# Altium PCB BP_LCD_Panel_v1.PcbDoc
Units mm, origin at the board's own origin, x right, y up, seen from the top; angles counter-clockwise.
Board outline 90 x 75 mm, 2 copper layers (L1 [TOP], L2 [BOT]), stack 1.57 mm thick; 20 components, 24 nets, 87 pads, 121 vias.
Unrouted connection lines stored in the file: 133.
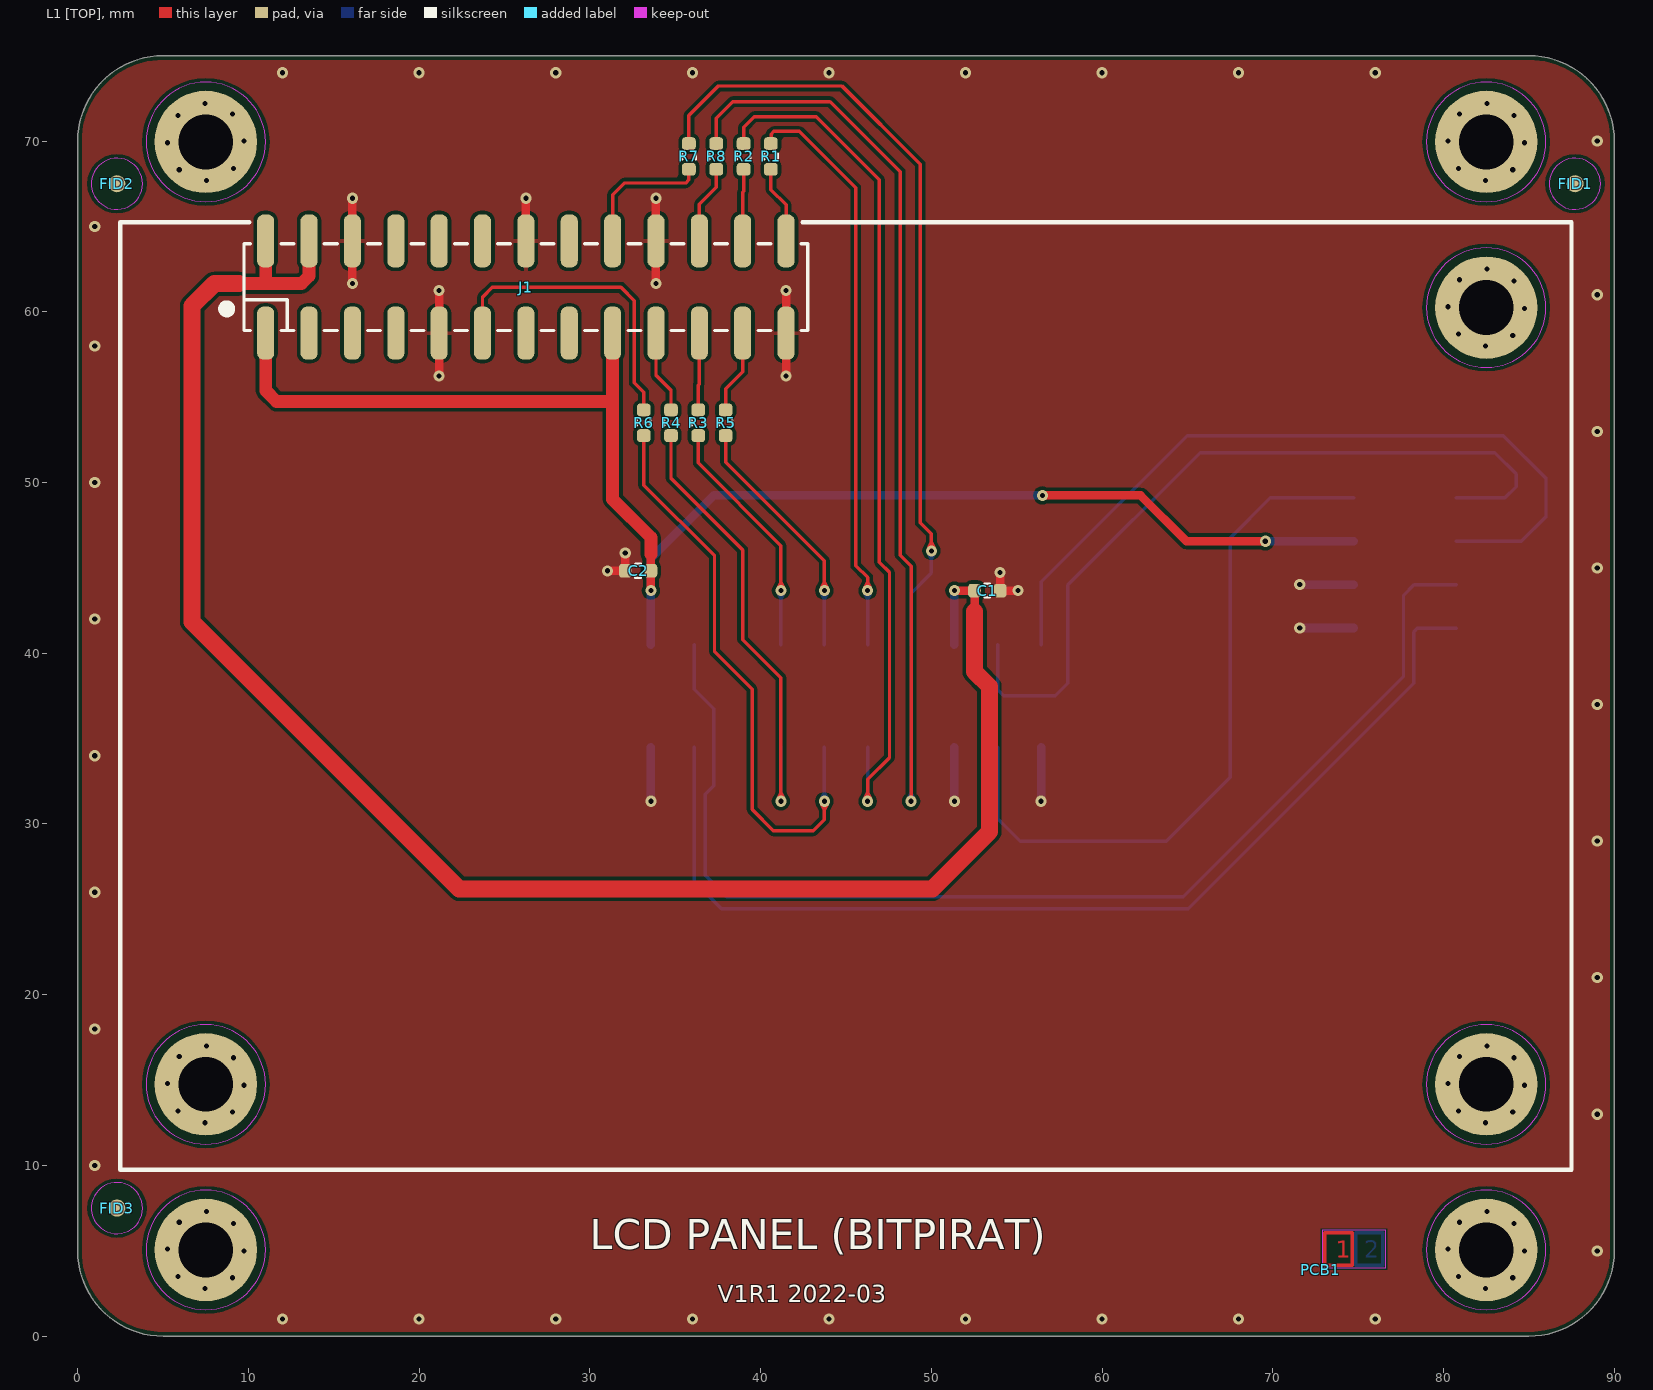
[diagram p0: L1 [TOP] view]
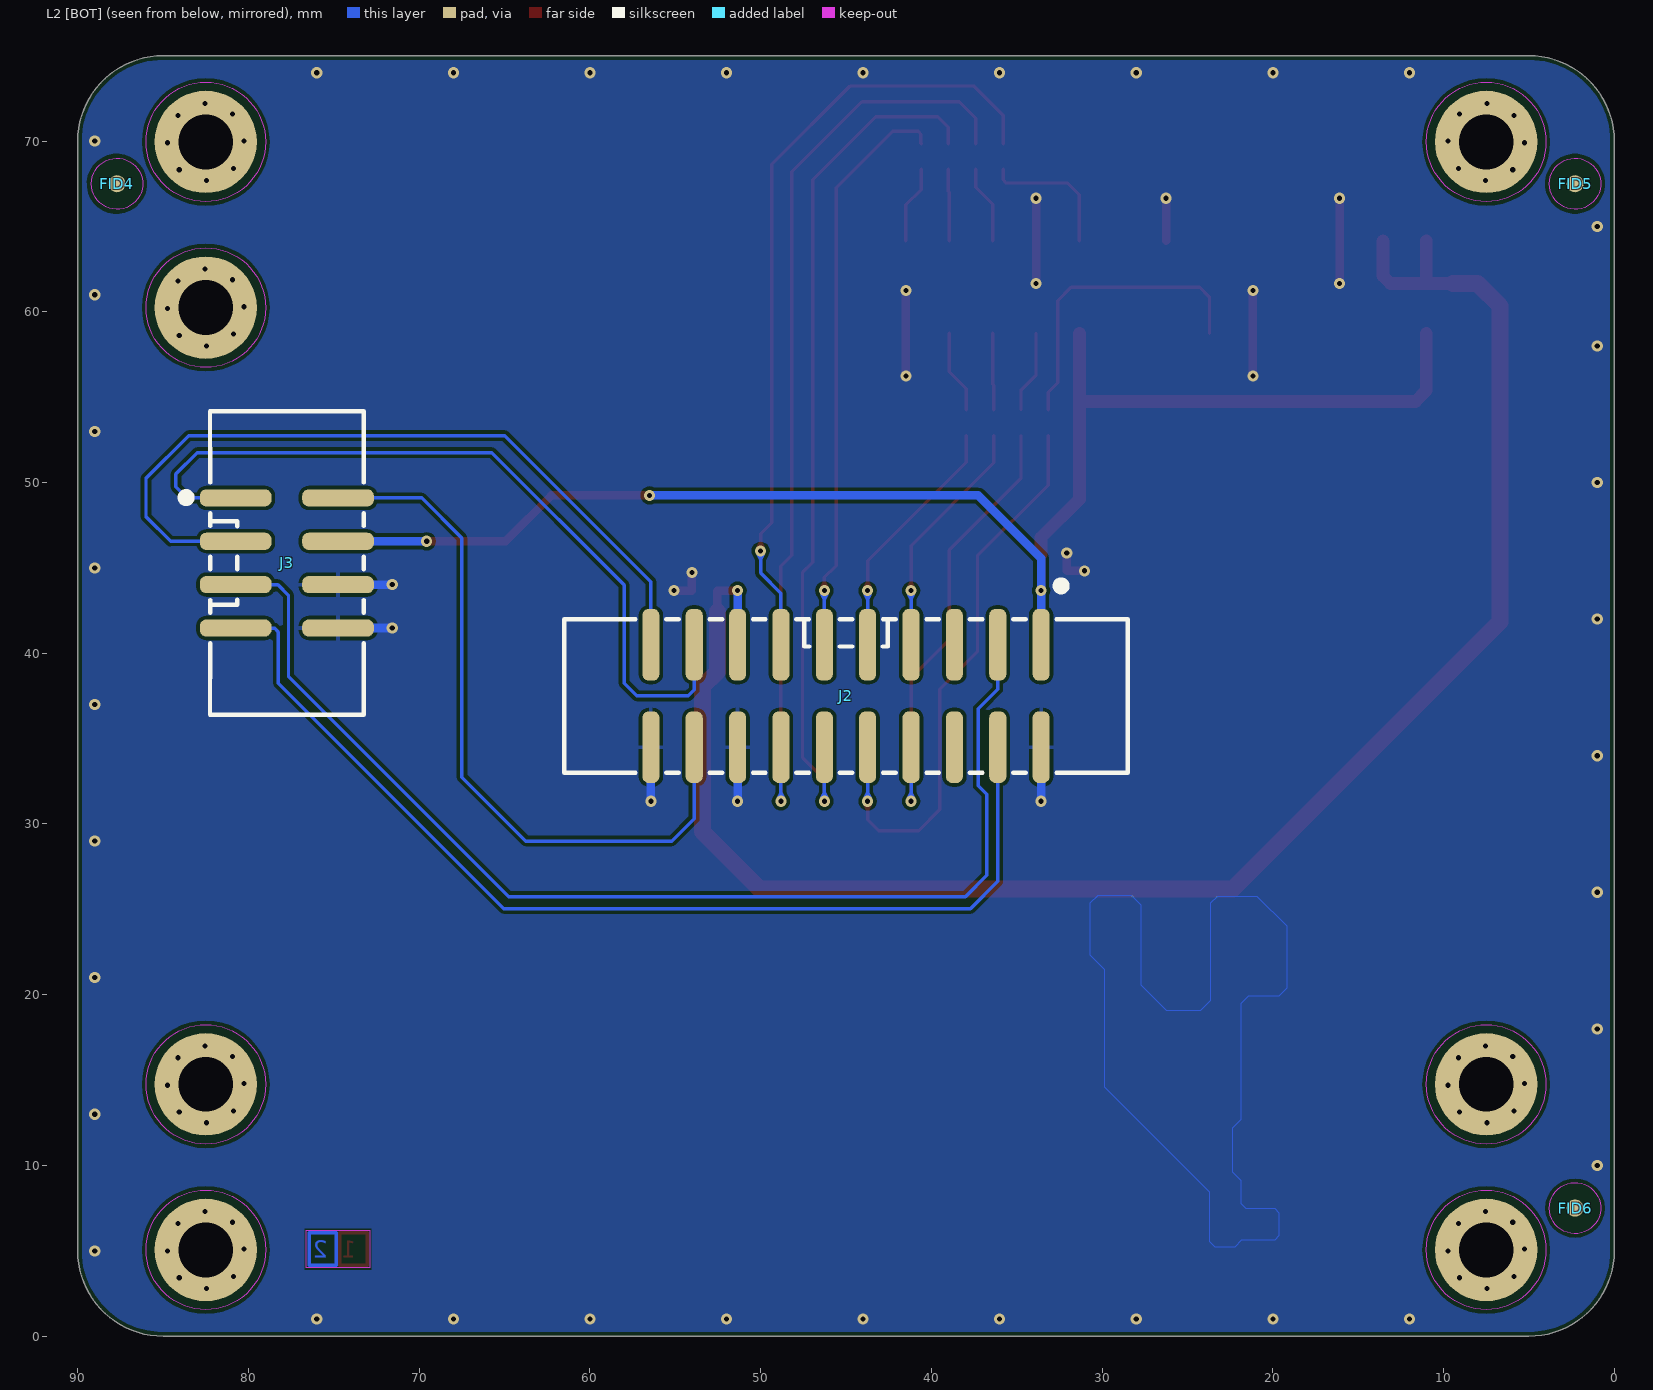
[diagram p1: L2 [BOT] view, seen from below]
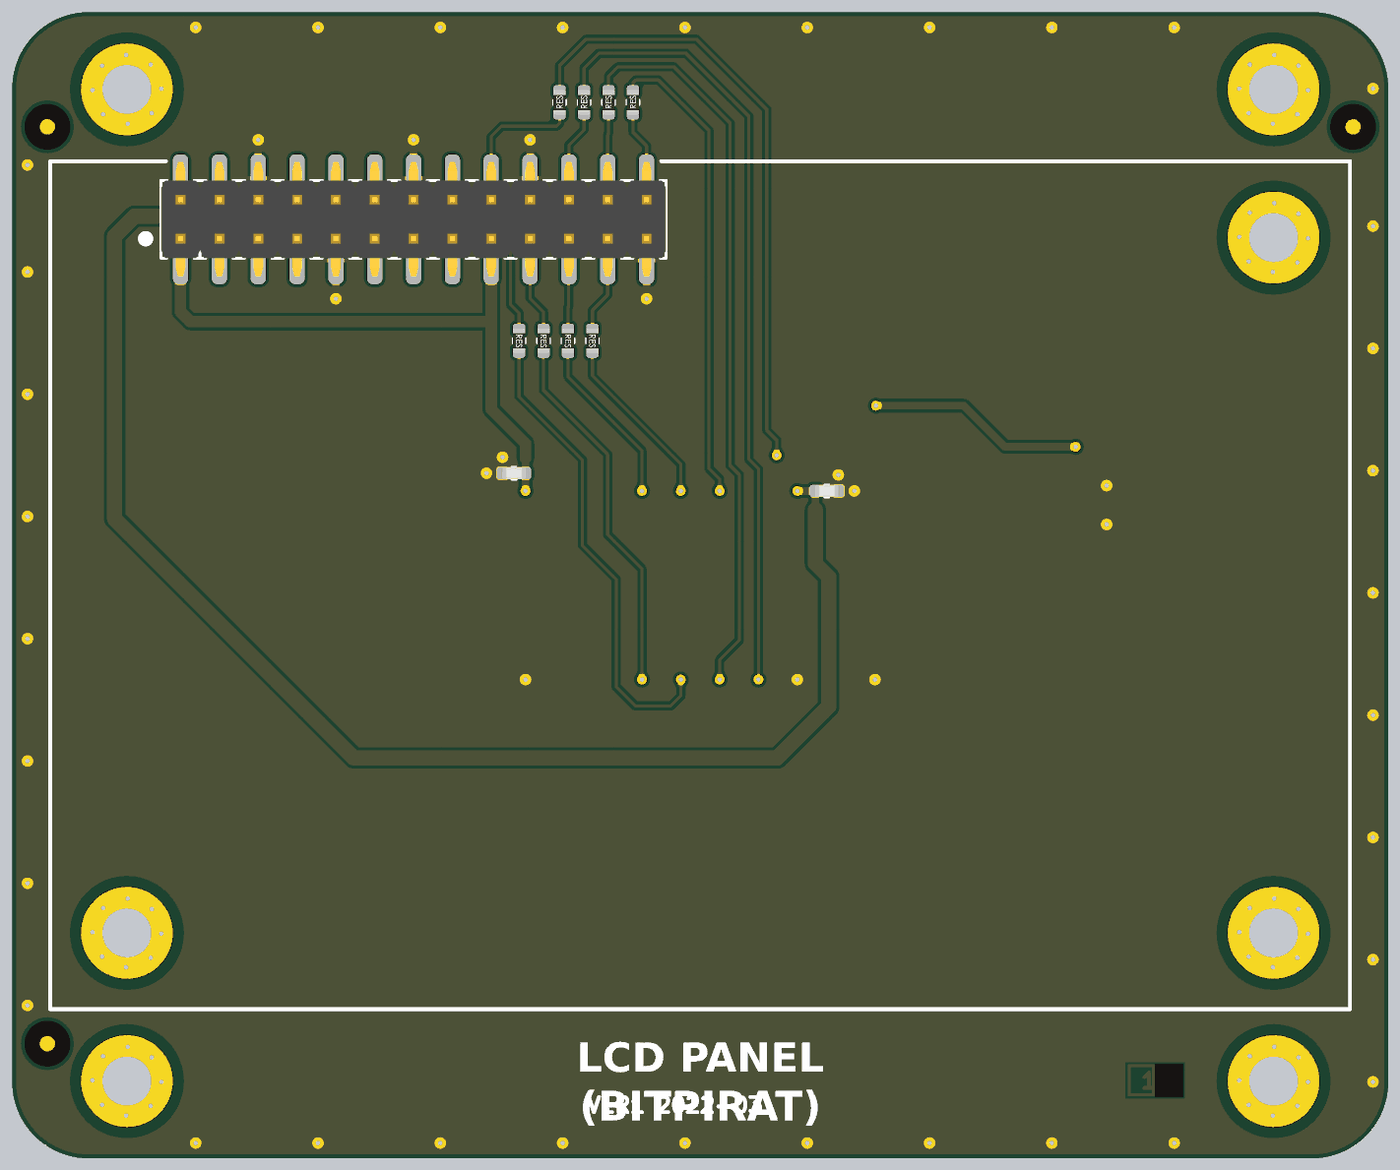
[diagram p2: 3D render of the assembled board from above, using the file's embedded part models]

## Layer stack, top to bottom
Solder [TOP]: solder mask 0.015, Solder Resist, Dk 3.5
L1 [TOP]: signal copper 0.035
prepreg #1: prepreg 0.1, PP-006, Dk 4.05
Core: dielectric 1.3, FR-4, Dk 4.05
prepreg #2: prepreg 0.1, PP-006, Dk 4.05
L2 [BOT]: signal copper 0.035
Solder [BOT]: solder mask 0.015, Solder Resist, Dk 3.5

## Board outline
0,5 0,70 cw(c5,70) 5,75 85,75 cw(c85,70) 90,70 90,5 cw(c85,5) 85,0 5,0 cw(c5,5)

## Design rules (kind name [scope] priority, off if disabled: settings)
BoardOutlineClearance BoardOutlineClearance_indicator [InComponent('PCB1')] p1: gap=0 ignorepadtopadclearanceinfootprint=FALSE
BoardOutlineClearance BoardOutlineClearance_Silk [IsText] p2: gap=0 ignorepadtopadclearanceinfootprint=FALSE
BoardOutlineClearance [All] p3: gap=0.25 ignorepadtopadclearanceinfootprint=FALSE
Clearance Clearance_marking [InComponent('PCB1')] p1: gap=0 ignorepadtopadclearanceinfootprint=FALSE
Clearance Clearance_polygon [InPolygon] p2: gap=0.2 ignorepadtopadclearanceinfootprint=FALSE
Clearance [All] p3: gap=0.2 ignorepadtopadclearanceinfootprint=FALSE
HoleSize [All] p1: absolutevalues=TRUE maxlimit=5 minlimit=0.2 maxpercent=80.000 minpercent=20.000
HoleToHoleClearance [All] p1: gap=0.4 allowstackedmicrovias=TRUE
MinimumAnnularRing [All] p1: minimumring=0.1
MinimumSolderMaskSliver [All] p1: minsoldermaskwidth=0.05
PlaneClearance [All] p1: clearance=0.5
PlaneConnect [All] p1: planeconnectstyle=Relief reliefexpansion=0.5 reliefentries=4 reliefconductorwidth=0.5 reliefairgap=0.3
PolygonConnect PolygonConnect_via [IsVia] p1: connectstyle=Direct reliefconductorwidth=0.254 reliefentries=4 polygonreliefangle="90 Angle" airgapwidth=0.254
PolygonConnect [All] p2: thpad.connectstyle=Relief thpad.reliefconductorwidth=0.5 thpad.reliefentries=4 thpad.polygonreliefangle="90 Angle" thpad.airgapwidth=0.3 smdpad.connectstyle=Relief smdpad.reliefconductorwidth=0.25 smdpad.reliefentries=4 smdpad.polygonreliefangle="90 Angle" smdpad.airgapwidth=0.2 via.connectstyle=Direct via.reliefconductorwidth=0.2 via.reliefentries=4 via.polygonreliefangle="90 Angle" via.airgapwidth=0.3
RoutingVias [All] p1: holewidth=0.3 width=0.65 viastyle="Through Hole" minholewidth=0.2 minwidth=0.45 maxholewidth=0.4 maxwidth=0.8
SilkToSilkClearance [All] p1: silktosilkclearance=0.15
SilkToSolderMaskClearance [IsPad] p1: minsilkscreentomaskgap=0.1 clearancetoexposedcopper=TRUE
SolderMaskExpansion SolderMaskExpansion_via [IsVia] p1: expansion=-10 istentingtop=FALSE
SolderMaskExpansion [All] p2: expansion=0.05 istentingtop=FALSE
Width [All] p1: maxlimit=4 minlimit=0.1 preferedwidth=0.2
23 further rules are at their usual default settings.

## Components (designator, comment, footprint, x,y, rotation, side; value= is the part's Value field where it differs from the comment)
C1 "10uF" CAP_0603_R 53.28,43.67 r180 top
C2 "10uF" CAP_0603_R 32.82,44.83 r0 top
FID1 "Fiducial" PCB_FID_RND_100x300 87.7,67.5 r0 top
FID2 "Fiducial" PCB_FID_RND_100x300 2.3,67.5 r0 top
FID3 "Fiducial" PCB_FID_RND_100x300 2.3,7.5 r0 top
FID4 "Fiducial" PCB_FID_RND_100x300 87.7,67.5 r90 bottom
FID5 "Fiducial" PCB_FID_RND_100x300 2.3,67.5 r90 bottom
FID6 "Fiducial" PCB_FID_RND_100x300 2.3,7.5 r90 bottom
J1 "26pin (2x13pin)" CON_HDR_P254_2X13_STR_SMD_R 26.25,61.45 r0 top locked
J2 "20pin (2x10pin)" CON_IDC_SMD_P254_2X10 45,37.5 r0 bottom locked
J3 "8pin (2x4pin)" CON_IDC_SMD_P254_2X04 77.75,45.25 r270 bottom locked
PCB1 "PCB_LAYER_STACKUP" PCB_STACKUP-2L_A1 72.8,3.9 r0 top
R1 "22R" RES_0603_R 40.6,69.1 r90 top
R2 "22R" RES_0603_R 39,69.1 r90 top
R3 "22R" RES_0603_R 36.35,53.5 r270 top
R4 "22R" RES_0603_R 34.75,53.5 r270 top
R5 "22R" RES_0603_R 37.95,53.5 r270 top
R6 "22R" RES_0603_R 33.15,53.5 r270 top
R7 "22R" RES_0603_R 35.8,69.1 r90 top
R8 "22R" RES_0603_R 37.4,69.1 r90 top

## Footprints (in the part's own frame and the unit in brackets; to place one, negate y for a bottom-side part, rotate by r counter-clockwise, add the part's x,y. Pads: shape width x height; smd on the part's side, far side on the other; paste and mask are expansions set on the pad)
CAP_0603_R [mm]
  rrect50% 0.75x0.8 smd: 1(-0.75,0) 2(0.75,0)
  silkscreen extent -0.15,-0.4 0.15,0.4, body extent -0.8,-0.41 0.8,0.41, height 0.57
CON_HDR_P254_2X13_STR_SMD_R [mm]
  rrect75% 1x3.1 smd: 1(-15.24,-2.7) 2(-15.24,2.7) 3(-12.7,-2.7) 4(-12.7,2.7) 5(-10.16,-2.7) 6(-10.16,2.7) 7(-7.62,-2.7) 8(-7.62,2.7) 9(-5.08,-2.7) 10(-5.08,2.7) 11(-2.54,-2.7) 12(-2.54,2.7) 13(0,-2.7) 14(0,2.7) 15(2.54,-2.7) 16(2.54,2.7) 17(5.08,-2.7) 18(5.08,2.7) 19(7.62,-2.7) 20(7.62,2.7) 21(10.16,-2.7) 22(10.16,2.7) 23(12.7,-2.7) 24(12.7,2.7) 25(15.24,-2.7) 26(15.24,2.7)
  silkscreen extent -17.78,-2.54 16.51,2.55, body extent -16.51,-3.75 16.51,3.75, height 9.62
CON_IDC_SMD_P254_2X04 [mm]
  rrect75% 1x4.2 smd: 1(-3.85,-3) 2(-3.85,3) 3(-1.31,-3) 4(-1.31,3) 5(1.23,-3) 6(1.23,3) 7(3.77,-3) 8(3.77,3)
  silkscreen extent -8.93,-6.15 8.85,4.51, body extent -8.89,-4.75 8.89,4.75, height 10.2
CON_IDC_SMD_P254_2X10 [mm]
  rrect75% 1x4.2 smd: 1(-11.43,-3) 2(-11.43,3) 3(-8.89,-3) 4(-8.89,3) 5(-6.35,-3) 6(-6.35,3) 7(-3.81,-3) 8(-3.81,3) 9(-1.27,-3) 10(-1.27,3) 11(1.27,-3) 12(1.27,3) 13(3.81,-3) 14(3.81,3) 15(6.35,-3) 16(6.35,3) 17(8.89,-3) 18(8.89,3) 19(11.43,-3) 20(11.43,3)
  silkscreen extent -16.51,-6.7 16.51,4.51, body extent -16.51,-4.75 16.51,4.75, height 10.55
PCB_FID_RND_100x300 [mm]
  round 1 smd paste-10 mask+1: 0(0,0)
  L1 [TOP] pour cut-out: -1.6,0 -1.478,-0.612 -1.131,-1.131 -0.612,-1.478 0,-1.6 0,-1.6 0.612,-1.478 1.131,-1.131 1.478,-0.612 1.6,0 1.6,0 1.478,0.612 1.131,1.131 0.612,1.478 0,1.6 0,1.6 -0.612,1.478 -1.131,1.131 -1.478,0.612 -1.6,0
  L1 [TOP] keep-out circle w0.05: c0,0 r1.5
PCB_STACKUP-2L_A1 [mm]
  L1 [TOP] pour cut-out: 0,2.4 3.9,2.4 3.9,0 0,0
  L1 [TOP] lines w0.2: 0.25,0.25 1.85,0.25 1.85,2.15 0.25,2.15 0.25,0.25
  L2 [BOT] pour cut-out: 3.9,2.4 0,2.4 0,0 3.9,0
  L2 [BOT] lines w0.2: 2.05,0.25 3.65,0.25 3.65,2.15 2.05,2.15 2.05,0.25
  Keep-Out Layer region: 0.1,0.1 3.8,0.1 3.8,2.3 0.1,2.3
RES_0603_R [mm]
  rrect50% 0.75x0.8 smd: 1(-0.75,0) 2(0.75,0)
  silkscreen extent -0.15,-0.4 0.15,0.4, body extent -0.8,-0.4 0.8,0.4, height 0.3

## Part data
C1 C2: library part CAP-0023, "Capacitor; MLCC; GENERIC; TBD; TBD; TBD; TBD; SMD; 0603 (1608);", Manufacturer=GENERIC, Package (Case)="0603 (1608)", Component Subtype=MLCC, Component Type=Capacitor, Mounting Type=SMD, MPN=GENERIC, Supplier=?
FID1 FID2 FID3 FID4 FID5 FID6: library part PCB_FID_RND, "PCB Marking; Fiducial; Round;", Component Subtype=-, Component Type=Fiducial, Mounting Type=-, Supplier=?
J1: library part CON_2X13_ROW, "Connector; 2 Row;", Manufacturer=GENERIC, Package (Case)=THT, Component Subtype="Pin Header", Component Type=Connector, Mounting Type=THT, MPN=GENERIC, Supplier=?
J2: library part CON_2X10_ROW, "Connector; 2 Row;", Manufacturer=GENERIC, Package (Case)=THT, Component Subtype="Pin Header", Component Type=Connector, Mounting Type=THT, MPN=GENERIC, Supplier=?
J3: library part CON_2X04_ROW, "Connector; 2 Row;", Manufacturer=GENERIC, Package (Case)=THT, Component Subtype="Pin Header", Component Type=Connector, Mounting Type=THT, MPN=GENERIC, Supplier=?
R1 R2 R3 R4 R5 R6 R7 R8: library part RES-0030, "Resistor; Thick Film; 22R; 1%; 100mW; 100PPM; 75V; Standard; SMD; 0603 (1608);", Manufacturer="Yageo Corporation", MPN=TBD, Operating Temperature="-55°C to +155°C", Package (Case)="0603 (1608)", Power Rating=100mW, Tolerance=1%, Voltage Rating=75V, Component Body="1.60 x 0.80mm", Component Height=0.45mm, Component Subtype="Thick Film", Component Type=Resistor, Features=Standard, ID=RES-0030, Mounting Type=SMD, Packaging Type="Tape & Reel", Resistance=22R, ROHS Status="RoHS Compliant", TCR=100PPM
PCB1: Component Subtype=-, Component Type="PCB Marking", Mounting Type=-, Supplier=?

## Free pads (board coordinates)
  round 6 hole 3.2: MH(7.5,5.05) MH(7.5,14.75) MH(7.5,69.95) MH(82.5,5.05) MH(82.5,14.75) MH(82.5,60.25) MH(82.5,69.95)

## Via types
v1: diameter 0.65, hole 0.3, L1 [TOP] to L2 [BOT], 121 vias

## Nets (pads, with @x,y where several pads share a name; then routed paths per layer and width w, separated by ;. In a path a pad name is that pad's centre, name@x,y a point inside that pad or via, vN(x,y) a via of type N, cw(c..) or ccw(c..) an arc to the next point about the centre after c; other vN are vias at no path point)
+3V3: C2.2 J1.1 J1.17 J2.1 J3.4 | length 88.9
  L1 [TOP] w0.5: v1(33.57,43.67) C2.2 33.57,45.8 ; v1(56.5,49.25) 62.25,49.25 64.94,46.56 v1(69.56,46.56)
  L1 [TOP] w0.75: J1.1 11.01,55.39 11.65,54.75 31.213,54.75 31.33,54.867 ; J1.17 31.33,54.867 ; 33.57,45.8 33.57,46.78 31.33,49.02 31.33,54.867
  L2 [BOT] w0.5: J2.1 v1(33.57,43.67) 33.57,45.57 37.25,49.25 v1(56.5,49.25) ; v1(69.56,46.56) J3.4
+5V: C1.2 J1.2 J1.4 J2.15 | length 104
  L1 [TOP] w0.5: v1(51.35,43.67) C1.2 52.53,42.43
  L1 [TOP] w0.75: 9.45,61.65 11.01,61.65 ; J1.2 11.01,61.65 ; J1.4 13.55,62.089 13.111,61.65 11.01,61.65
  L1 [TOP] w1: 9.45,61.65 8,61.65 6.7,60.35 6.7,41.846 22.346,26.2 50.05,26.2 53.4,29.55 53.4,38.05 52.53,38.92 52.53,42.43
  L2 [BOT] w0.5: J2.15 v1(51.35,43.67)
CM_GPIO7: J2.11 R1.2 | length 34
  L1 [TOP] w0.2: R1.2 40.617,69.867 40.617,70.408 40.775,70.567 42.268,70.567 45.572,67.263 45.572,45.138 46.27,44.44 v1(46.27,43.67)
  L2 [BOT] w0.2: J2.11 v1(46.27,43.67)
CM_GPIO8: J2.12 R2.2 | length 51.1
  L1 [TOP] w0.2: R2.2 39,70.805 39.626,71.431 43.26,71.431 46.957,67.734 46.957,45.323 47.55,44.73 47.55,33.893 46.27,32.613 v1(46.27,31.33)
  L2 [BOT] w0.2: v1(46.27,31.33) J2.12
CM_GPIO9: J2.7 R3.2 | length 14.3
  L1 [TOP] w0.2: R3.2 36.35,51.15 41.19,46.31 v1(41.19,43.67)
  L2 [BOT] w0.2: J2.7 v1(41.19,43.67)
CM_GPIO10: J2.8 R4.2 | length 27.3
  L1 [TOP] w0.2: R4.2 34.75,50.25 38.95,46.05 38.95,40.8 41.19,38.56 v1(41.19,31.33)
  L2 [BOT] w0.2: v1(41.19,31.33) J2.8
CM_GPIO11: J2.9 R5.2 | length 14.6
  L1 [TOP] w0.2: R5.2 37.95,51.2 43.73,45.42 v1(43.73,43.67)
  L2 [BOT] w0.2: J2.9 v1(43.73,43.67)
CM_GPIO17: J2.10 R6.2 | length 33.8
  L1 [TOP] w0.2: R6.2 33.15,49.85 37.3,45.7 37.3,40.1 39.5,37.9 39.5,30.85 40.75,29.6 43.072,29.6 43.73,30.258 v1(43.73,31.33)
  L2 [BOT] w0.2: v1(43.73,31.33) J2.10
CM_GPIO24: J2.13 R7.2 | length 46.7
  L1 [TOP] w0.2: R7.2 35.8,71.5 37.527,73.227 44.765,73.227 49.35,68.642 49.35,47.65 50,47 v1(50,46)
  L2 [BOT] w0.2: J2.13 48.81,43.51 50,44.7 v1(50,46)
CM_GPIO25: J2.14 R8.2 | length 54.7
  L1 [TOP] w0.2: R8.2 37.4,71.35 38.365,72.315 44.065,72.315 48.174,68.205 48.174,45.741 48.81,45.105 v1(48.81,31.33)
  L2 [BOT] w0.2: v1(48.81,31.33) J2.14
CM_I2C1_SCL: J2.4 J3.7 | length 61.7
  L2 [BOT] w0.2: J2.4 36.11,26.64 37.707,25.043 65.043,25.043 78.245,38.245 78.245,41.245 78.467,41.467 80.737,41.467 J3.7
CM_I2C1_SDA: J2.3 J3.5 | length 69
  L2 [BOT] w0.2: J2.3 36.11,37.89 37.25,36.75 37.25,32.25 36.75,31.75 36.75,27 38,25.75 64.75,25.75 77.657,38.657 77.657,43.407 78.27,44.02 J3.5
GND: C1.1 C2.1 J1.6 J1.9 J1.14 J1.20 J1.25 J2.2 J2.16 J2.20 J3.6 J3.8 | length 42.5
  L1 [TOP] w0.5: v1(16.09,61.65) J1.6 v1(16.09,66.65) ; v1(21.17,56.25) J1.9 v1(21.17,61.25) ; J1.14 v1(26.25,66.65) ; v1(31.02,44.83) C2.1 v1(32.07,45.88) ; v1(33.87,61.65) J1.20 v1(33.87,66.65) ; v1(41.49,56.25) J1.25 v1(41.49,61.25) ; v1(54.03,44.72) C1.1 v1(55.08,43.67)
  L2 [BOT] w0.5: v1(33.57,31.33) J2.2 ; v1(51.35,31.33) J2.16 ; v1(56.43,31.33) J2.20 ; v1(71.58,41.48) J3.8 ; v1(71.58,44.02) J3.6
  other v1: 12,1 20,1 28,1 36,1 44,1 52,1 60,1 68,1 76,1 89,5 1,10 89,13 1,18 89,21 1,26 89,29 1,34 89,37 1,42 89,45 1,50 89,53 1,58 89,61 1,65 89,70 12,74 20,74 28,74 36,74 44,74 52,74 60,74 68,74 76,74
LCD_GPIO7: J1.26 R1.1 | length 4.6
  L1 [TOP] w0.2: R1.1 40.6,67.15 41.49,66.26 J1.26
LCD_GPIO8: J1.24 R2.1 | length 4.2
  L1 [TOP] w0.2: J1.24 38.95,67 39,67.05 R2.1
LCD_GPIO9: J1.21 R3.1 | length 4.5
  L1 [TOP] w0.2: R3.1 36.35,55.7 36.4,55.75 36.4,58.74 J1.21
LCD_GPIO10: J1.19 R4.1 | length 4.9
  L1 [TOP] w0.2: J1.19 33.87,56.28 34.75,55.4 R4.1
LCD_GPIO11: J1.23 R5.1 | length 4.9
  L1 [TOP] w0.2: R5.1 37.95,55.5 38.95,56.5 J1.23
LCD_GPIO17: J1.11 R6.1 | length 18.2
  L1 [TOP] w0.2: J1.11 23.71,60.863 24.283,61.436 31.822,61.436 32.6,60.658 32.6,55.85 33.15,55.3 R6.1
LCD_GPIO24: J1.18 R7.1 | length 8.2
  L1 [TOP] w0.2: J1.18 31.33,66.863 32.01,67.543 35.604,67.543 35.8,67.739 R7.1
LCD_GPIO25: J1.22 R8.1 | length 4.6
  L1 [TOP] w0.2: J1.22 36.41,66.31 37.4,67.3 R8.1
LED_ACT_OUT: J2.17 J3.1 | length 47.5
  L2 [BOT] w0.2: J2.17 53.89,37.86 54.25,37.5 57.25,37.5 58,38.25 58,44 65.75,51.75 83,51.75 84.25,50.5 84.25,49.75 83.6,49.1 J3.1
LED_PWR_OUT: J2.18 J3.2 | length 42.1
  L2 [BOT] w0.2: J2.18 53.89,30.319 55.209,29 63.75,29 67.5,32.75 67.5,46.75 69.85,49.1 J3.2
USR_SWI: J2.19 J3.3 | length 45.9
  L2 [BOT] w0.2: J2.19 56.43,44.18 65,52.75 83.5,52.75 86,50.25 86,48 84.56,46.56 J3.3
pads on no net: FID1.0 FID2.0 FID3.0 FID4.0 FID5.0 FID6.0 J1.3 J1.5 J1.7 J1.8 J1.10 J1.12 J1.13 J1.15 J1.16 J2.5 J2.6
copper on no net:
  other v1: 7.45,2.8 82.45,2.8 9.056,3.424 84.056,3.424 5.874,3.494 80.874,3.494 9.75,5 84.75,5 5.25,5.1 80.25,5.1 9.126,6.606 84.126,6.606 5.944,6.676 80.944,6.676 7.55,7.3 82.55,7.3 7.45,12.5 82.45,12.5 9.056,13.124 84.056,13.124 5.874,13.194 80.874,13.194 9.75,14.7 84.75,14.7 5.25,14.8 80.25,14.8 9.126,16.306 84.126,16.306 5.944,16.376 80.944,16.376 7.55,17 82.55,17 82.45,58 84.056,58.624 80.874,58.694 84.75,60.2 80.25,60.3 84.126,61.806 80.944,61.876 82.55,62.5 7.55,67.7 82.45,67.7 5.944,68.324 84.056,68.324 9.126,68.394 80.874,68.394 5.25,69.9 84.75,69.9 9.75,70 80.25,70 5.874,71.506 84.126,71.506 9.056,71.576 80.944,71.576 7.45,72.2 82.55,72.2

## Polygon pours and split planes (outlines as drawn)
GND on L2 [BOT] "L4_GND" (solid, remove dead copper, pour order 2): 0,75 90,75 90,0 72.06,0 37.76,0 0,0
+3V3 on L2 [BOT] "L4_+3V3" (solid, remove dead copper, pour order 0): 23.66,19.65 24.26,19.05 26.21,19.05 27.71,20.55 27.71,25.25 28.26,25.8 30.26,25.8 30.71,25.35 30.71,22.35 29.86,21.5 29.86,14.6 23.71,8.45 23.71,5.55 23.41,5.25 22.21,5.25 21.81,5.65 19.86,5.65 19.61,5.9 19.61,7.2 19.86,7.45 21.56,7.45 21.86,7.75 21.86,9.1 22.36,9.6 22.36,12.2 21.86,12.7 21.86,19.5 21.41,19.95 19.61,19.95 19.16,20.4 19.16,24 20.91,25.75 23.26,25.75 23.66,25.35
GND on L1 [TOP] "L1_GND" (solid, remove dead copper, pour order 7): 0,75 90,75 90,0 72.06,0 37.76,0 0,0

## Keep-outs
Keep-Out Layer:
  circle w0.05: c7.5,69.95 r3.5
  circle w0.05: c82.5,69.95 r3.5
  circle w0.05: c82.5,60.25 r3.5
  circle w0.05: c82.5,14.75 r3.5
  circle w0.05: c7.5,14.75 r3.5
  circle w0.05: c82.5,5.05 r3.5
  circle w0.05: c7.5,5.05 r3.5

## Silkscreen, mask and mechanical layers (free items; w line width, h text height)
Silk [TOP]:
  lines w0.25: 2.49,9.75 2.49,65.25 ; 2.5,9.75 87.5,9.75 87.5,65.25 42.45,65.25 ; 2.5,65.25 10.05,65.25
  text "LCD PANEL (BITPIRAT)" at 30,4.5 h3
  text "V1R1 2022-03" at 37.5,2 h1
M01 BoardOutline:
  the board outline again, w0.1
M10 Dimensions:
  lines w0.1: -1,0 0,0 ; 0,-1 0,0 ; 0,1 0,0 ; 1,0 0,0
M15 Reserved:
  circle w0.05: c113.462,30.788 r3.7
  circle w0.05: c113.462,30.788 r2.2
  circle w0.05: c75.44,30.776 r3.7
M19 AssemblySMDTop:
  text "SMD ASSEMBLY (TOP VIEW)" at 4.25,75.75 h5
M20 AssemblySMDBot:
  text "SMD ASSEMBLY (BOT VIEW)" at 85.5,75.5 h5

## Dimensions
0,70 to 90,70 on M10 Dimensions
85,0 to 85,75 on M10 Dimensions

## Text inside footprints (layer, text, board x,y; h text height)
PCB1: L2 [BOT] "2" at 75.35,4.6 h1; L1 [TOP] "1" at 73.7,4.6 h1